# Altium PCB Tag201_GangProgrammerRev2.PcbDoc (part 7 of 7)
Units mil, origin at the board's own origin, x right, y up, seen from the top; angles counter-clockwise.
Board outline 10400 x 10885 mil, 4 copper layers (Top Layer, VCC, GND, Bottom Layer), stack 67.2 mil thick; 831 components, 394 nets, 2486 pads, 638 vias.
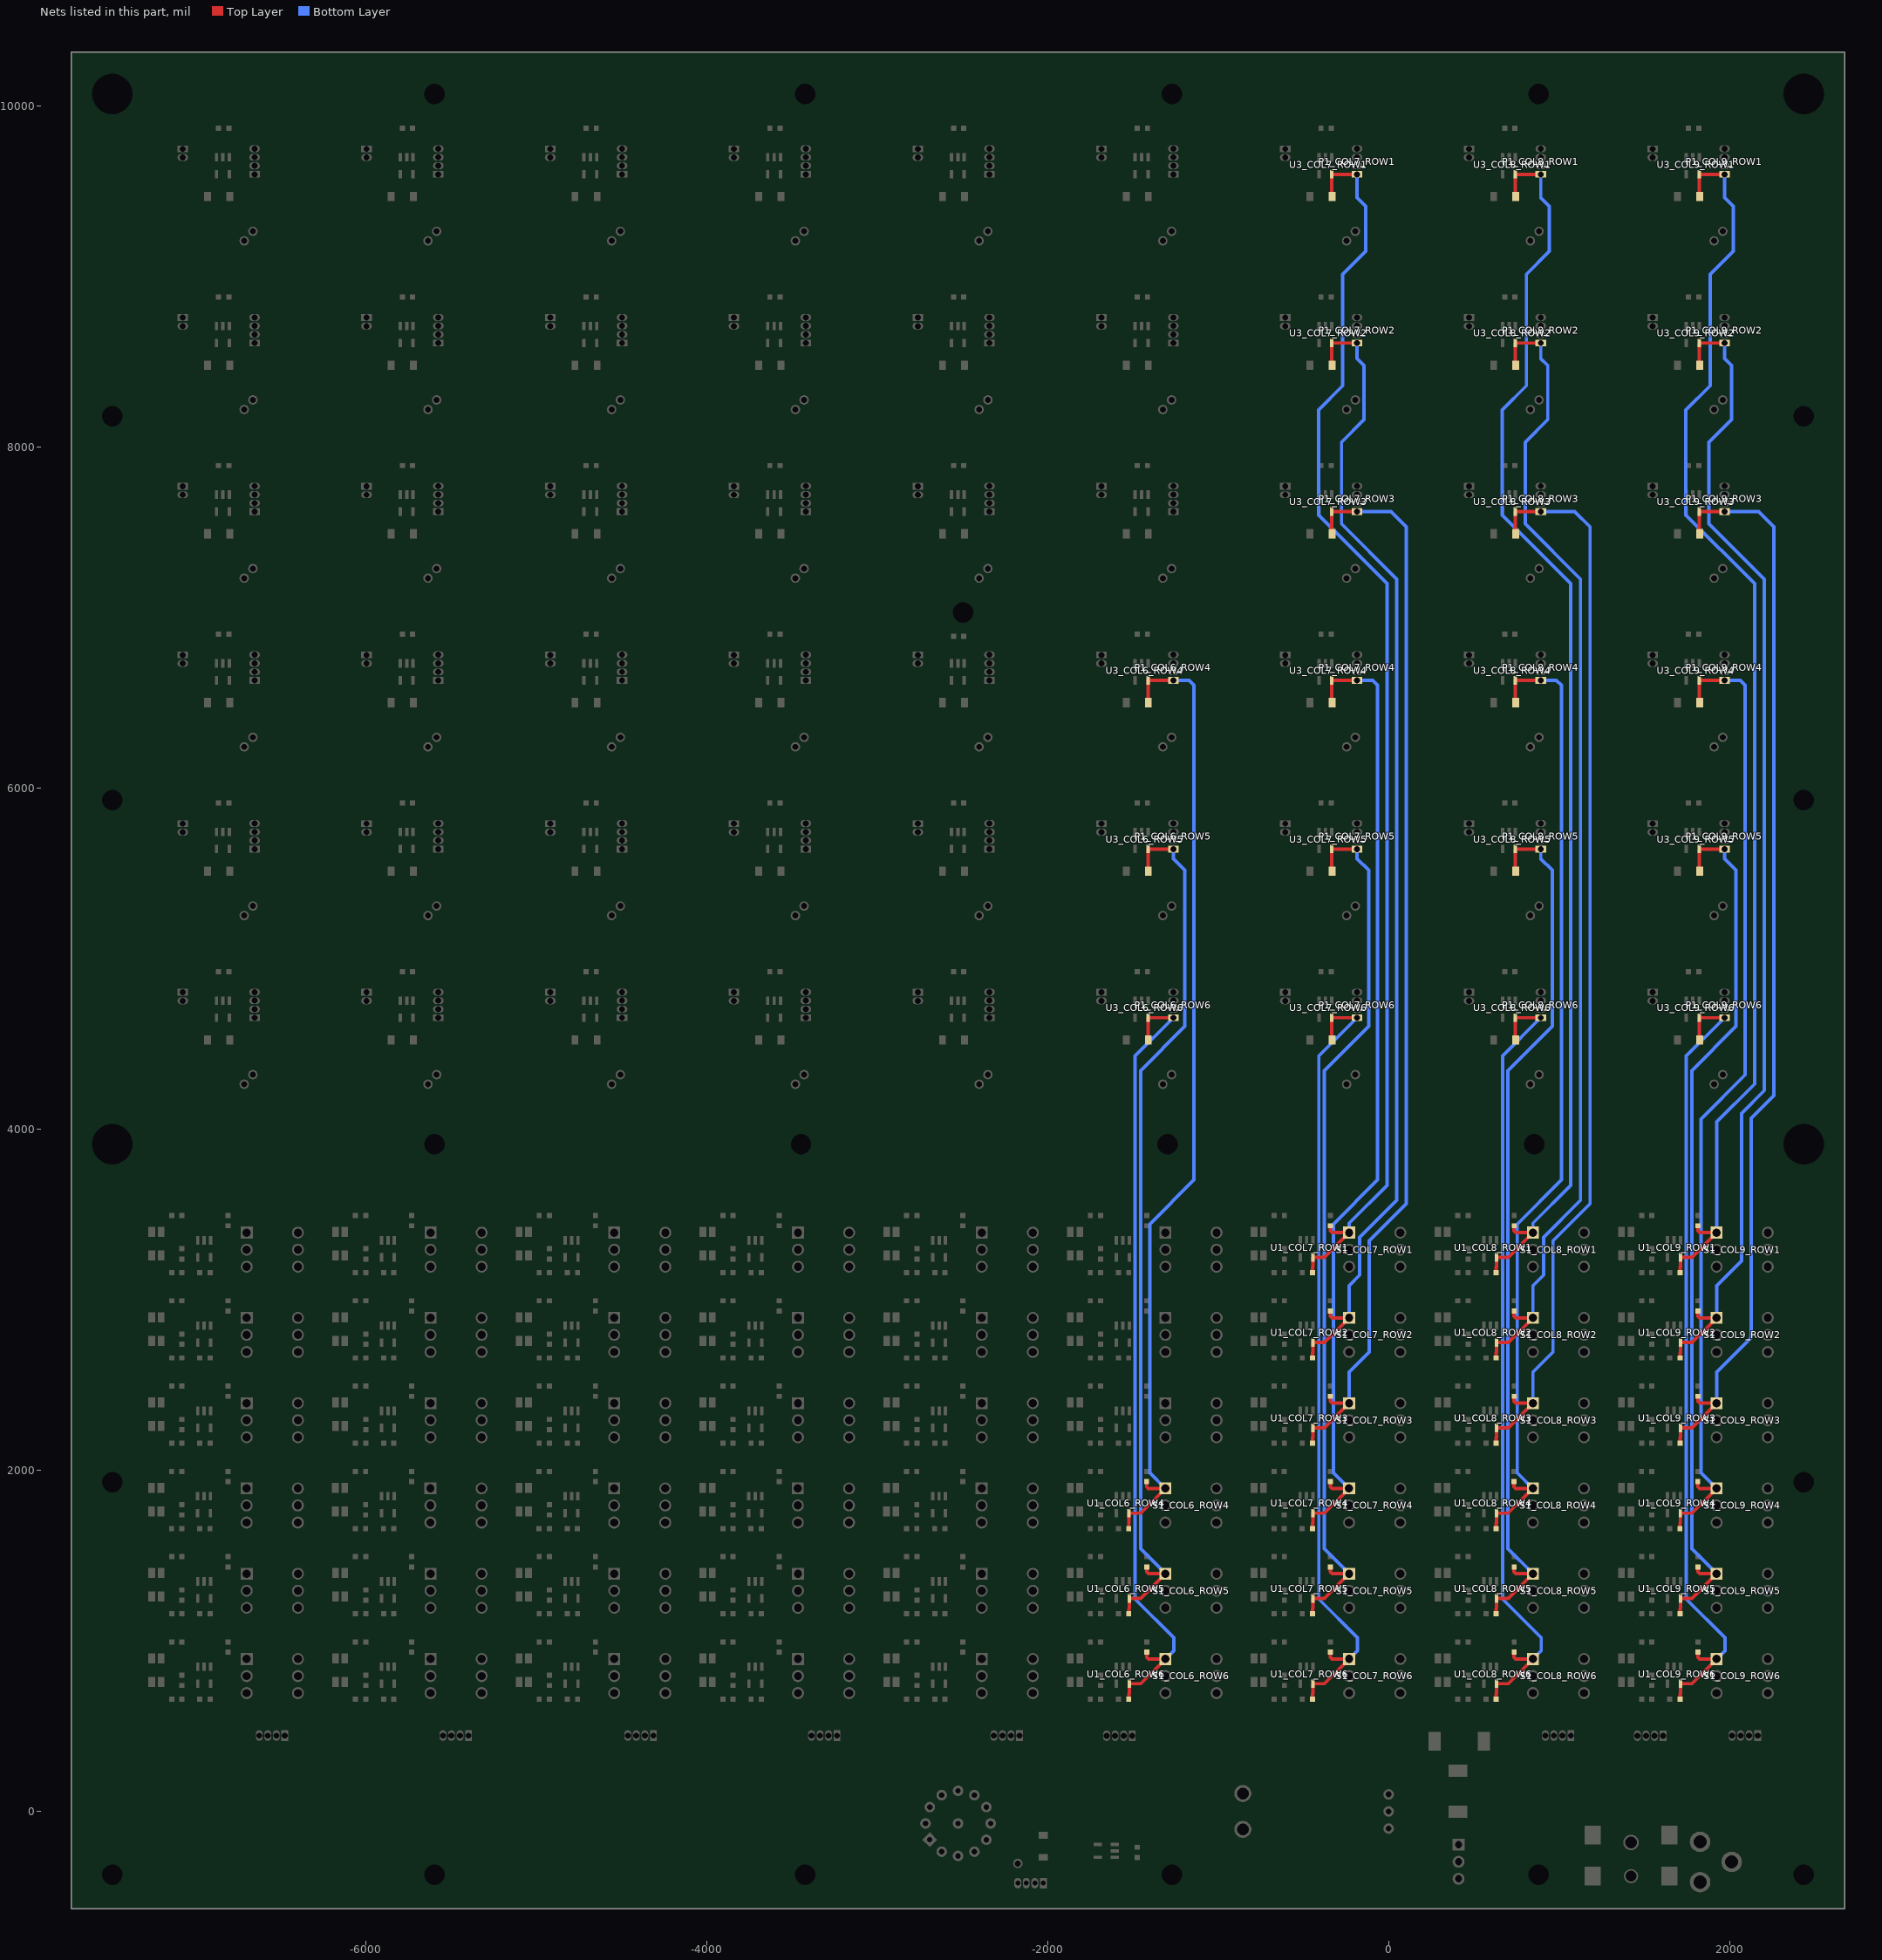
[diagram p9: the nets of this part, all layers, seen from the top]

## Via types
v1: diameter 50, hole 28, Top Layer to Bottom Layer, tented both sides, 638 vias

## Nets (pads, with @x,y where several pads share a name; then routed paths per layer and width w, separated by ;. In a path a pad name is that pad's centre, name@x,y a point inside that pad or via, vN(x,y) a via of type N, cw(c..) or ccw(c..) an arc to the next point about the centre after c; other vN are vias at no path point) (continued)
VCC_COL6_ROW4: C2_COL6_ROW4.1 C3_COL6_ROW4.1 P1_COL6_ROW4.1 R4_COL6_ROW4.2 S1_COL6_ROW4.1 U1_COL6_ROW4.5 U3_COL6_ROW4.5 | length 5774.5
  Top Layer w20: C3_COL6_ROW4.1@-1524.5,1659 -1524.5,1689 -1522,1691.5 U1_COL6_ROW4.5@-1522,1749 -1454.5,1749 S1_COL6_ROW4.1@-1309.5,1894 -1409.5,1894 -1419.5,1904 R4_COL6_ROW4.2@-1419.5,1934 ; C2_COL6_ROW4.1@-1409,6502 -1411.5,6504.5 U3_COL6_ROW4.5@-1411.5,6632 P1_COL6_ROW4.1@-1263,6632
  Bottom Layer w20: S1_COL6_ROW4.1@-1309.5,1894 -1401,1985.5 -1401,3444 -1142,3703 -1142,6603 -1171,6632 P1_COL6_ROW4.1@-1263,6632
VCC_COL6_ROW5: C2_COL6_ROW5.1 C3_COL6_ROW5.1 P1_COL6_ROW5.1 R4_COL6_ROW5.2 S1_COL6_ROW5.1 U1_COL6_ROW5.5 U3_COL6_ROW5.5 | length 5232.6
  Top Layer w20: C3_COL6_ROW5.1@-1524,1159 -1524,1189 -1521.5,1191.5 U1_COL6_ROW5.5@-1521.5,1249 -1454,1249 S1_COL6_ROW5.1@-1309,1394 -1409,1394 -1419,1404 R4_COL6_ROW5.2@-1419,1434 ; C2_COL6_ROW5.1@-1409,5513 -1411.5,5515.5 U3_COL6_ROW5.5@-1411.5,5643 P1_COL6_ROW5.1@-1263,5643
  Bottom Layer w20: S1_COL6_ROW5.1@-1309,1394 -1455,1540 -1455,4343 -1195,4603 -1195,5519 -1263,5587 P1_COL6_ROW5.1@-1263,5643
VCC_COL6_ROW6: C2_COL6_ROW6.1 C3_COL6_ROW6.1 P1_COL6_ROW6.1 R4_COL6_ROW6.2 S1_COL6_ROW6.1 U1_COL6_ROW6.5 U3_COL6_ROW6.5 | length 4754.4
  Top Layer w20: C3_COL6_ROW6.1@-1524,659 -1524,689 -1521.5,691.5 U1_COL6_ROW6.5@-1521.5,749 -1454,749 S1_COL6_ROW6.1@-1309,894 -1409,894 -1419,904 R4_COL6_ROW6.2@-1419,934 ; C2_COL6_ROW6.1@-1409,4524 -1411.5,4526.5 U3_COL6_ROW6.5@-1411.5,4654 P1_COL6_ROW6.1@-1263,4654
  Bottom Layer w20: S1_COL6_ROW6.1@-1309,894 -1260,943 -1260,1018 -1487,1245 -1487,4430 P1_COL6_ROW6.1@-1263,4654
VCC_COL7_ROW1: C2_COL7_ROW1.1 C3_COL7_ROW1.1 P1_COL7_ROW1.1 R4_COL7_ROW1.2 S1_COL7_ROW1.1 U1_COL7_ROW1.5 U3_COL7_ROW1.5 | length 7386.6
  Top Layer w20: C3_COL7_ROW1.1@-446.5,3159 -446.5,3189 -444,3191.5 U1_COL7_ROW1.5@-444,3249 -376.5,3249 S1_COL7_ROW1.1@-231.5,3394 -331.5,3394 -341.5,3404 R4_COL7_ROW1.2@-341.5,3434 ; C2_COL7_ROW1.1@-331.5,9469 -334,9471.5 U3_COL7_ROW1.5@-334,9599 P1_COL7_ROW1.1@-185.5,9599
  Bottom Layer w20: S1_COL7_ROW1.1@-231.5,3394 -231.5,3449.5 -9.5,3671.5 -9.5,7199 -411.5,7601 -411.5,8217 -269.5,8359 -269.5,9013 -134.5,9148 -134.5,9412 -185.5,9463 P1_COL7_ROW1.1@-185.5,9599
VCC_COL7_ROW2: C2_COL7_ROW2.1 C3_COL7_ROW2.1 P1_COL7_ROW2.1 R4_COL7_ROW2.2 S1_COL7_ROW2.1 U1_COL7_ROW2.5 U3_COL7_ROW2.5 | length 6824.7
  Top Layer w20: C3_COL7_ROW2.1@-446.5,2659 -446.5,2689 -444,2691.5 U1_COL7_ROW2.5@-444,2749 -376.5,2749 S1_COL7_ROW2.1@-231.5,2894 -331.5,2894 -341.5,2904 R4_COL7_ROW2.2@-341.5,2934 ; C2_COL7_ROW2.1@-331.5,8480 -334,8482.5 U3_COL7_ROW2.5@-334,8610 P1_COL7_ROW2.1@-185.5,8610
  Bottom Layer w20: S1_COL7_ROW2.1@-231.5,2894 -231.5,3083 -169.5,3145 -169.5,3367 47.5,3584 47.5,7226 -276.5,7550 -276.5,8028 -144.5,8160 -144.5,8479 -185.5,8520 P1_COL7_ROW2.1@-185.5,8610
VCC_COL7_ROW3: C2_COL7_ROW3.1 C3_COL7_ROW3.1 P1_COL7_ROW3.1 R4_COL7_ROW3.2 S1_COL7_ROW3.1 U1_COL7_ROW3.5 U3_COL7_ROW3.5 | length 6389.3
  Top Layer w20: C3_COL7_ROW3.1@-446.5,2159 -446.5,2189 -444,2191.5 U1_COL7_ROW3.5@-444,2249 -376.5,2249 S1_COL7_ROW3.1@-231.5,2394 -331.5,2394 -341.5,2404 R4_COL7_ROW3.2@-341.5,2434 ; C2_COL7_ROW3.1@-331.5,7491 -334,7493.5 U3_COL7_ROW3.5@-334,7621 P1_COL7_ROW3.1@-185.5,7621
  Bottom Layer w20: S1_COL7_ROW3.1@-231.5,2394 -231.5,2576 -113.5,2694 -113.5,3346 103.5,3563 103.5,7531 13.5,7621 P1_COL7_ROW3.1@-185.5,7621
VCC_COL7_ROW4: C2_COL7_ROW4.1 C3_COL7_ROW4.1 P1_COL7_ROW4.1 R4_COL7_ROW4.2 S1_COL7_ROW4.1 U1_COL7_ROW4.5 U3_COL7_ROW4.5 | length 5774.5
  Top Layer w20: C3_COL7_ROW4.1@-447,1659 -447,1689 -444.5,1691.5 U1_COL7_ROW4.5@-444.5,1749 -377,1749 S1_COL7_ROW4.1@-232,1894 -332,1894 -342,1904 R4_COL7_ROW4.2@-342,1934 ; C2_COL7_ROW4.1@-331.5,6502 -334,6504.5 U3_COL7_ROW4.5@-334,6632 P1_COL7_ROW4.1@-185.5,6632
  Bottom Layer w20: S1_COL7_ROW4.1@-232,1894 -323.5,1985.5 -323.5,3444 -64.5,3703 -64.5,6603 -93.5,6632 P1_COL7_ROW4.1@-185.5,6632
VCC_COL7_ROW5: C2_COL7_ROW5.1 C3_COL7_ROW5.1 P1_COL7_ROW5.1 R4_COL7_ROW5.2 S1_COL7_ROW5.1 U1_COL7_ROW5.5 U3_COL7_ROW5.5 | length 5232.6
  Top Layer w20: C3_COL7_ROW5.1@-446.5,1159 -446.5,1189 -444,1191.5 U1_COL7_ROW5.5@-444,1249 -376.5,1249 S1_COL7_ROW5.1@-231.5,1394 -331.5,1394 -341.5,1404 R4_COL7_ROW5.2@-341.5,1434 ; C2_COL7_ROW5.1@-331.5,5513 -334,5515.5 U3_COL7_ROW5.5@-334,5643 P1_COL7_ROW5.1@-185.5,5643
  Bottom Layer w20: S1_COL7_ROW5.1@-231.5,1394 -377.5,1540 -377.5,4343 -117.5,4603 -117.5,5519 -185.5,5587 P1_COL7_ROW5.1@-185.5,5643
VCC_COL7_ROW6: C2_COL7_ROW6.1 C3_COL7_ROW6.1 P1_COL7_ROW6.1 R4_COL7_ROW6.2 S1_COL7_ROW6.1 U1_COL7_ROW6.5 U3_COL7_ROW6.5 | length 4754.4
  Top Layer w20: C3_COL7_ROW6.1@-446.5,659 -446.5,689 -444,691.5 U1_COL7_ROW6.5@-444,749 -376.5,749 S1_COL7_ROW6.1@-231.5,894 -331.5,894 -341.5,904 R4_COL7_ROW6.2@-341.5,934 ; C2_COL7_ROW6.1@-331.5,4524 -334,4526.5 U3_COL7_ROW6.5@-334,4654 P1_COL7_ROW6.1@-185.5,4654
  Bottom Layer w20: S1_COL7_ROW6.1@-231.5,894 -182.5,943 -182.5,1018 -409.5,1245 -409.5,4430 P1_COL7_ROW6.1@-185.5,4654
VCC_COL8_ROW1: C2_COL8_ROW1.1 C3_COL8_ROW1.1 P1_COL8_ROW1.1 R4_COL8_ROW1.2 S1_COL8_ROW1.1 U1_COL8_ROW1.5 U3_COL8_ROW1.5 | length 7386.6
  Top Layer w20: C3_COL8_ROW1.1@631,3159 631,3189 633.5,3191.5 U1_COL8_ROW1.5@633.5,3249 701,3249 S1_COL8_ROW1.1@846,3394 746,3394 736,3404 R4_COL8_ROW1.2@736,3434 ; C2_COL8_ROW1.1@746,9469 743.5,9471.5 U3_COL8_ROW1.5@743.5,9599 P1_COL8_ROW1.1@892,9599
  Bottom Layer w20: S1_COL8_ROW1.1@846,3394 846,3449.5 1068,3671.5 1068,7199 666,7601 666,8217 808,8359 808,9013 943,9148 943,9412 892,9463 P1_COL8_ROW1.1@892,9599
VCC_COL8_ROW2: C2_COL8_ROW2.1 C3_COL8_ROW2.1 P1_COL8_ROW2.1 R4_COL8_ROW2.2 S1_COL8_ROW2.1 U1_COL8_ROW2.5 U3_COL8_ROW2.5 | length 6824.7
  Top Layer w20: C3_COL8_ROW2.1@631,2659 631,2689 633.5,2691.5 U1_COL8_ROW2.5@633.5,2749 701,2749 S1_COL8_ROW2.1@846,2894 746,2894 736,2904 R4_COL8_ROW2.2@736,2934 ; C2_COL8_ROW2.1@746,8480 743.5,8482.5 U3_COL8_ROW2.5@743.5,8610 P1_COL8_ROW2.1@892,8610
  Bottom Layer w20: S1_COL8_ROW2.1@846,2894 846,3083 908,3145 908,3367 1125,3584 1125,7226 801,7550 801,8028 933,8160 933,8479 892,8520 P1_COL8_ROW2.1@892,8610
VCC_COL8_ROW3: C2_COL8_ROW3.1 C3_COL8_ROW3.1 P1_COL8_ROW3.1 R4_COL8_ROW3.2 S1_COL8_ROW3.1 U1_COL8_ROW3.5 U3_COL8_ROW3.5 | length 6389.3
  Top Layer w20: C3_COL8_ROW3.1@631,2159 631,2189 633.5,2191.5 U1_COL8_ROW3.5@633.5,2249 701,2249 S1_COL8_ROW3.1@846,2394 746,2394 736,2404 R4_COL8_ROW3.2@736,2434 ; C2_COL8_ROW3.1@746,7491 743.5,7493.5 U3_COL8_ROW3.5@743.5,7621 P1_COL8_ROW3.1@892,7621
  Bottom Layer w20: S1_COL8_ROW3.1@846,2394 846,2576 964,2694 964,3346 1181,3563 1181,7531 1091,7621 P1_COL8_ROW3.1@892,7621
VCC_COL8_ROW4: C2_COL8_ROW4.1 C3_COL8_ROW4.1 P1_COL8_ROW4.1 R4_COL8_ROW4.2 S1_COL8_ROW4.1 U1_COL8_ROW4.5 U3_COL8_ROW4.5 | length 5774.5
  Top Layer w20: C3_COL8_ROW4.1@630.5,1659 630.5,1689 633,1691.5 U1_COL8_ROW4.5@633,1749 700.5,1749 S1_COL8_ROW4.1@845.5,1894 745.5,1894 735.5,1904 R4_COL8_ROW4.2@735.5,1934 ; C2_COL8_ROW4.1@746,6502 743.5,6504.5 U3_COL8_ROW4.5@743.5,6632 P1_COL8_ROW4.1@892,6632
  Bottom Layer w20: S1_COL8_ROW4.1@845.5,1894 754,1985.5 754,3444 1013,3703 1013,6603 984,6632 P1_COL8_ROW4.1@892,6632
VCC_COL8_ROW5: C2_COL8_ROW5.1 C3_COL8_ROW5.1 P1_COL8_ROW5.1 R4_COL8_ROW5.2 S1_COL8_ROW5.1 U1_COL8_ROW5.5 U3_COL8_ROW5.5 | length 5232.6
  Top Layer w20: C3_COL8_ROW5.1@631,1159 631,1189 633.5,1191.5 U1_COL8_ROW5.5@633.5,1249 701,1249 S1_COL8_ROW5.1@846,1394 746,1394 736,1404 R4_COL8_ROW5.2@736,1434 ; C2_COL8_ROW5.1@746,5513 743.5,5515.5 U3_COL8_ROW5.5@743.5,5643 P1_COL8_ROW5.1@892,5643
  Bottom Layer w20: S1_COL8_ROW5.1@846,1394 700,1540 700,4343 960,4603 960,5519 892,5587 P1_COL8_ROW5.1@892,5643
VCC_COL8_ROW6: C2_COL8_ROW6.1 C3_COL8_ROW6.1 P1_COL8_ROW6.1 R4_COL8_ROW6.2 S1_COL8_ROW6.1 U1_COL8_ROW6.5 U3_COL8_ROW6.5 | length 4754.4
  Top Layer w20: C3_COL8_ROW6.1@631,659 631,689 633.5,691.5 U1_COL8_ROW6.5@633.5,749 701,749 S1_COL8_ROW6.1@846,894 746,894 736,904 R4_COL8_ROW6.2@736,934 ; C2_COL8_ROW6.1@746,4524 743.5,4526.5 U3_COL8_ROW6.5@743.5,4654 P1_COL8_ROW6.1@892,4654
  Bottom Layer w20: S1_COL8_ROW6.1@846,894 895,943 895,1018 668,1245 668,4430 P1_COL8_ROW6.1@892,4654
VCC_COL9_ROW1: C2_COL9_ROW1.1 C3_COL9_ROW1.1 P1_COL9_ROW1.1 R4_COL9_ROW1.2 S1_COL9_ROW1.1 U1_COL9_ROW1.5 U3_COL9_ROW1.5 | length 7386.6
  Top Layer w20: C3_COL9_ROW1.1@1708.5,3159 1708.5,3189 1711,3191.5 U1_COL9_ROW1.5@1711,3249 1778.5,3249 S1_COL9_ROW1.1@1923.5,3394 1823.5,3394 1813.5,3404 R4_COL9_ROW1.2@1813.5,3434 ; C2_COL9_ROW1.1@1823.5,9469 1821,9471.5 U3_COL9_ROW1.5@1821,9599 P1_COL9_ROW1.1@1969.5,9599
  Bottom Layer w20: S1_COL9_ROW1.1@1923.5,3394 1923.5,4043 2145.5,4265 2145.5,7199 1743.5,7601 1743.5,8217 1885.5,8359 1885.5,9013 2020.5,9148 2020.5,9412 1969.5,9463 P1_COL9_ROW1.1@1969.5,9599
VCC_COL9_ROW2: C2_COL9_ROW2.1 C3_COL9_ROW2.1 P1_COL9_ROW2.1 R4_COL9_ROW2.2 S1_COL9_ROW2.1 U1_COL9_ROW2.5 U3_COL9_ROW2.5 | length 6824.7
  Top Layer w20: C3_COL9_ROW2.1@1708.5,2659 1708.5,2689 1711,2691.5 U1_COL9_ROW2.5@1711,2749 1778.5,2749 S1_COL9_ROW2.1@1923.5,2894 1823.5,2894 1813.5,2904 R4_COL9_ROW2.2@1813.5,2934 ; C2_COL9_ROW2.1@1823.5,8480 1821,8482.5 U3_COL9_ROW2.5@1821,8610 P1_COL9_ROW2.1@1969.5,8610
  Bottom Layer w20: S1_COL9_ROW2.1@1923.5,2894 1923.5,3083 2069,3228.5 2069,4093.5 2202.5,4227 2202.5,7226 1878.5,7550 1878.5,8028 2010.5,8160 2010.5,8479 1969.5,8520 P1_COL9_ROW2.1@1969.5,8610
VCC_COL9_ROW3: C2_COL9_ROW3.1 C3_COL9_ROW3.1 P1_COL9_ROW3.1 R4_COL9_ROW3.2 S1_COL9_ROW3.1 U1_COL9_ROW3.5 U3_COL9_ROW3.5 | length 6389.3
  Top Layer w20: C3_COL9_ROW3.1@1708.5,2159 1708.5,2189 1711,2191.5 U1_COL9_ROW3.5@1711,2249 1778.5,2249 S1_COL9_ROW3.1@1923.5,2394 1823.5,2394 1813.5,2404 R4_COL9_ROW3.2@1813.5,2434 ; C2_COL9_ROW3.1@1823.5,7491 1821,7493.5 U3_COL9_ROW3.5@1821,7621 P1_COL9_ROW3.1@1969.5,7621
  Bottom Layer w20: S1_COL9_ROW3.1@1923.5,2394 1923.5,2576 2126.5,2779 2126.5,4065 2258.5,4197 2258.5,7531 2168.5,7621 P1_COL9_ROW3.1@1969.5,7621
VCC_COL9_ROW4: C2_COL9_ROW4.1 C3_COL9_ROW4.1 P1_COL9_ROW4.1 R4_COL9_ROW4.2 S1_COL9_ROW4.1 U1_COL9_ROW4.5 U3_COL9_ROW4.5 | length 5774.5
  Top Layer w20: C3_COL9_ROW4.1@1708,1659 1708,1689 1710.5,1691.5 U1_COL9_ROW4.5@1710.5,1749 1778,1749 S1_COL9_ROW4.1@1923,1894 1823,1894 1813,1904 R4_COL9_ROW4.2@1813,1934 ; C2_COL9_ROW4.1@1823.5,6502 1821,6504.5 U3_COL9_ROW4.5@1821,6632 P1_COL9_ROW4.1@1969.5,6632
  Bottom Layer w20: S1_COL9_ROW4.1@1923,1894 1831.5,1985.5 1831.5,4060 2090.5,4319 2090.5,6603 2061.5,6632 P1_COL9_ROW4.1@1969.5,6632
VCC_COL9_ROW5: C2_COL9_ROW5.1 C3_COL9_ROW5.1 P1_COL9_ROW5.1 R4_COL9_ROW5.2 S1_COL9_ROW5.1 U1_COL9_ROW5.5 U3_COL9_ROW5.5 | length 5232.6
  Top Layer w20: C3_COL9_ROW5.1@1708.5,1159 1708.5,1189 1711,1191.5 U1_COL9_ROW5.5@1711,1249 1778.5,1249 S1_COL9_ROW5.1@1923.5,1394 1823.5,1394 1813.5,1404 R4_COL9_ROW5.2@1813.5,1434 ; C2_COL9_ROW5.1@1823.5,5513 1821,5515.5 U3_COL9_ROW5.5@1821,5643 P1_COL9_ROW5.1@1969.5,5643
  Bottom Layer w20: S1_COL9_ROW5.1@1923.5,1394 1777.5,1540 1777.5,4343 2037.5,4603 2037.5,5519 1969.5,5587 P1_COL9_ROW5.1@1969.5,5643
VCC_COL9_ROW6: C2_COL9_ROW6.1 C3_COL9_ROW6.1 P1_COL9_ROW6.1 R4_COL9_ROW6.2 S1_COL9_ROW6.1 U1_COL9_ROW6.5 U3_COL9_ROW6.5 | length 4754.4
  Top Layer w20: C3_COL9_ROW6.1@1708.5,659 1708.5,689 1711,691.5 U1_COL9_ROW6.5@1711,749 1778.5,749 S1_COL9_ROW6.1@1923.5,894 1823.5,894 1813.5,904 R4_COL9_ROW6.2@1813.5,934 ; C2_COL9_ROW6.1@1823.5,4524 1821,4526.5 U3_COL9_ROW6.5@1821,4654 P1_COL9_ROW6.1@1969.5,4654
  Bottom Layer w20: S1_COL9_ROW6.1@1923.5,894 1972.5,943 1972.5,1018 1745.5,1245 1745.5,4430 P1_COL9_ROW6.1@1969.5,4654
pads on no net: J1_COL1_ROW1.1 J1_COL1_ROW2.1 J1_COL1_ROW3.1 J1_COL1_ROW4.1 J1_COL1_ROW5.1 J1_COL1_ROW6.1 J1_COL2_ROW1.1 J1_COL2_ROW2.1 J1_COL2_ROW3.1 J1_COL2_ROW4.1 J1_COL2_ROW5.1 J1_COL2_ROW6.1 J1_COL3_ROW1.1 J1_COL3_ROW2.1 J1_COL3_ROW3.1 J1_COL3_ROW4.1 J1_COL3_ROW5.1 J1_COL3_ROW6.1 J1_COL4_ROW1.1 J1_COL4_ROW2.1 J1_COL4_ROW3.1 J1_COL4_ROW4.1 J1_COL4_ROW5.1 J1_COL4_ROW6.1 J1_COL5_ROW1.1 J1_COL5_ROW2.1 J1_COL5_ROW3.1 J1_COL5_ROW4.1 J1_COL5_ROW5.1 J1_COL5_ROW6.1 J1_COL6_ROW1.1 J1_COL6_ROW2.1 J1_COL6_ROW3.1 J1_COL6_ROW4.1 J1_COL6_ROW5.1 J1_COL6_ROW6.1 J1_COL7_ROW1.1 J1_COL7_ROW2.1 J1_COL7_ROW3.1 J1_COL7_ROW4.1 J1_COL7_ROW5.1 J1_COL7_ROW6.1 J1_COL8_ROW1.1 J1_COL8_ROW2.1 J1_COL8_ROW3.1 J1_COL8_ROW4.1 J1_COL8_ROW5.1 J1_COL8_ROW6.1 J1_COL9_ROW1.1 J1_COL9_ROW2.1 J1_COL9_ROW3.1 J1_COL9_ROW4.1 J1_COL9_ROW5.1 J1_COL9_ROW6.1 J2_COL1_ROW1.1 J2_COL1_ROW2.1 J2_COL1_ROW3.1 J2_COL1_ROW4.1 J2_COL1_ROW5.1 J2_COL1_ROW6.1 J2_COL2_ROW1.1 J2_COL2_ROW2.1 J2_COL2_ROW3.1 J2_COL2_ROW4.1 J2_COL2_ROW5.1 J2_COL2_ROW6.1 J2_COL3_ROW1.1 J2_COL3_ROW2.1 J2_COL3_ROW3.1 J2_COL3_ROW4.1 J2_COL3_ROW5.1 J2_COL3_ROW6.1 J2_COL4_ROW1.1 J2_COL4_ROW2.1 J2_COL4_ROW3.1 J2_COL4_ROW4.1 J2_COL4_ROW5.1 J2_COL4_ROW6.1 J2_COL5_ROW1.1 J2_COL5_ROW2.1 J2_COL5_ROW3.1 J2_COL5_ROW4.1 J2_COL5_ROW5.1 J2_COL5_ROW6.1 J2_COL6_ROW1.1 J2_COL6_ROW2.1 J2_COL6_ROW3.1 J2_COL6_ROW4.1 J2_COL6_ROW5.1 J2_COL6_ROW6.1 J2_COL7_ROW1.1 J2_COL7_ROW2.1 J2_COL7_ROW3.1 J2_COL7_ROW4.1 J2_COL7_ROW5.1 J2_COL7_ROW6.1 J2_COL8_ROW1.1 J2_COL8_ROW2.1 J2_COL8_ROW3.1 J2_COL8_ROW4.1 J2_COL8_ROW5.1 J2_COL8_ROW6.1 J2_COL9_ROW1.1 J2_COL9_ROW2.1 J2_COL9_ROW3.1 J2_COL9_ROW4.1 J2_COL9_ROW5.1 J2_COL9_ROW6.1 P20.2 P21.0 P21.3 S1.1 S1_COL1_ROW1.3 S1_COL1_ROW1.4 S1_COL1_ROW1.5 S1_COL1_ROW1.6 S1_COL1_ROW2.3 S1_COL1_ROW2.4 S1_COL1_ROW2.5 S1_COL1_ROW2.6 S1_COL1_ROW3.3 S1_COL1_ROW3.4 S1_COL1_ROW3.5 S1_COL1_ROW3.6 S1_COL1_ROW4.3 S1_COL1_ROW4.4 S1_COL1_ROW4.5 S1_COL1_ROW4.6 S1_COL1_ROW5.3 S1_COL1_ROW5.4 S1_COL1_ROW5.5 S1_COL1_ROW5.6 S1_COL1_ROW6.3 S1_COL1_ROW6.4 S1_COL1_ROW6.5 S1_COL1_ROW6.6 S1_COL2_ROW1.3 S1_COL2_ROW1.4 S1_COL2_ROW1.5 S1_COL2_ROW1.6 S1_COL2_ROW2.3 S1_COL2_ROW2.4 S1_COL2_ROW2.5 S1_COL2_ROW2.6 S1_COL2_ROW3.3 S1_COL2_ROW3.4 S1_COL2_ROW3.5 S1_COL2_ROW3.6 S1_COL2_ROW4.3 S1_COL2_ROW4.4 S1_COL2_ROW4.5 S1_COL2_ROW4.6 S1_COL2_ROW5.3 S1_COL2_ROW5.4 S1_COL2_ROW5.5 S1_COL2_ROW5.6 S1_COL2_ROW6.3 S1_COL2_ROW6.4 S1_COL2_ROW6.5 S1_COL2_ROW6.6 S1_COL3_ROW1.3 S1_COL3_ROW1.4 S1_COL3_ROW1.5 S1_COL3_ROW1.6 S1_COL3_ROW2.3 S1_COL3_ROW2.4 S1_COL3_ROW2.5 S1_COL3_ROW2.6 S1_COL3_ROW3.3 S1_COL3_ROW3.4 S1_COL3_ROW3.5 S1_COL3_ROW3.6 S1_COL3_ROW4.3 S1_COL3_ROW4.4 S1_COL3_ROW4.5 S1_COL3_ROW4.6 S1_COL3_ROW5.3 S1_COL3_ROW5.4 S1_COL3_ROW5.5 S1_COL3_ROW5.6 S1_COL3_ROW6.3 S1_COL3_ROW6.4 S1_COL3_ROW6.5 S1_COL3_ROW6.6 S1_COL4_ROW1.3 S1_COL4_ROW1.4 S1_COL4_ROW1.5 S1_COL4_ROW1.6 S1_COL4_ROW2.3 S1_COL4_ROW2.4 S1_COL4_ROW2.5 S1_COL4_ROW2.6 S1_COL4_ROW3.3 S1_COL4_ROW3.4 S1_COL4_ROW3.5 S1_COL4_ROW3.6 S1_COL4_ROW4.3 S1_COL4_ROW4.4 S1_COL4_ROW4.5 S1_COL4_ROW4.6 S1_COL4_ROW5.3 S1_COL4_ROW5.4 S1_COL4_ROW5.5 S1_COL4_ROW5.6 S1_COL4_ROW6.3 S1_COL4_ROW6.4 S1_COL4_ROW6.5 S1_COL4_ROW6.6 S1_COL5_ROW1.3 S1_COL5_ROW1.4 S1_COL5_ROW1.5 S1_COL5_ROW1.6 S1_COL5_ROW2.3 S1_COL5_ROW2.4 S1_COL5_ROW2.5 S1_COL5_ROW2.6 S1_COL5_ROW3.3 S1_COL5_ROW3.4 S1_COL5_ROW3.5 S1_COL5_ROW3.6 S1_COL5_ROW4.3 S1_COL5_ROW4.4 S1_COL5_ROW4.5 S1_COL5_ROW4.6 S1_COL5_ROW5.3 S1_COL5_ROW5.4 S1_COL5_ROW5.5 S1_COL5_ROW5.6 S1_COL5_ROW6.3 S1_COL5_ROW6.4 S1_COL5_ROW6.5 S1_COL5_ROW6.6 S1_COL6_ROW1.3 S1_COL6_ROW1.4 S1_COL6_ROW1.5 S1_COL6_ROW1.6 S1_COL6_ROW2.3 S1_COL6_ROW2.4 S1_COL6_ROW2.5 S1_COL6_ROW2.6 S1_COL6_ROW3.3 S1_COL6_ROW3.4 S1_COL6_ROW3.5 S1_COL6_ROW3.6 S1_COL6_ROW4.3 S1_COL6_ROW4.4 S1_COL6_ROW4.5 S1_COL6_ROW4.6 S1_COL6_ROW5.3 S1_COL6_ROW5.4 S1_COL6_ROW5.5 S1_COL6_ROW5.6 S1_COL6_ROW6.3 S1_COL6_ROW6.4 S1_COL6_ROW6.5 S1_COL6_ROW6.6 S1_COL7_ROW1.3 S1_COL7_ROW1.4 S1_COL7_ROW1.5 S1_COL7_ROW1.6 S1_COL7_ROW2.3 S1_COL7_ROW2.4 S1_COL7_ROW2.5 S1_COL7_ROW2.6 S1_COL7_ROW3.3 S1_COL7_ROW3.4 S1_COL7_ROW3.5 S1_COL7_ROW3.6 S1_COL7_ROW4.3 S1_COL7_ROW4.4 S1_COL7_ROW4.5 S1_COL7_ROW4.6 S1_COL7_ROW5.3 S1_COL7_ROW5.4 S1_COL7_ROW5.5 S1_COL7_ROW5.6 S1_COL7_ROW6.3 S1_COL7_ROW6.4 S1_COL7_ROW6.5 S1_COL7_ROW6.6 S1_COL8_ROW1.3 S1_COL8_ROW1.4 S1_COL8_ROW1.5 S1_COL8_ROW1.6 S1_COL8_ROW2.3 S1_COL8_ROW2.4 S1_COL8_ROW2.5 S1_COL8_ROW2.6 S1_COL8_ROW3.3 S1_COL8_ROW3.4 S1_COL8_ROW3.5 S1_COL8_ROW3.6 S1_COL8_ROW4.3 S1_COL8_ROW4.4 S1_COL8_ROW4.5 S1_COL8_ROW4.6 S1_COL8_ROW5.3 S1_COL8_ROW5.4 S1_COL8_ROW5.5 S1_COL8_ROW5.6 S1_COL8_ROW6.3 S1_COL8_ROW6.4 S1_COL8_ROW6.5 S1_COL8_ROW6.6 S1_COL9_ROW1.3 S1_COL9_ROW1.4 S1_COL9_ROW1.5 S1_COL9_ROW1.6 S1_COL9_ROW2.3 S1_COL9_ROW2.4 S1_COL9_ROW2.5 S1_COL9_ROW2.6 S1_COL9_ROW3.3 S1_COL9_ROW3.4 S1_COL9_ROW3.5 S1_COL9_ROW3.6 S1_COL9_ROW4.3 S1_COL9_ROW4.4 S1_COL9_ROW4.5 S1_COL9_ROW4.6 S1_COL9_ROW5.3 S1_COL9_ROW5.4 S1_COL9_ROW5.5 S1_COL9_ROW5.6 S1_COL9_ROW6.3 S1_COL9_ROW6.4 S1_COL9_ROW6.5 S1_COL9_ROW6.6 SW1.10 SW1.11 SW1.12 U1_COL1_ROW1.1@-6871.5,3364 U1_COL1_ROW2.1@-6871.5,2864 U1_COL1_ROW3.1@-6871.5,2364 U1_COL1_ROW4.1@-6872,1864 U1_COL1_ROW5.1@-6871.5,1364 U1_COL1_ROW6.1@-6871.5,864 U1_COL2_ROW1.1@-5794,3364 U1_COL2_ROW2.1@-5794,2864 U1_COL2_ROW3.1@-5794,2364 U1_COL2_ROW4.1@-5794.5,1864 U1_COL2_ROW5.1@-5794,1364 U1_COL2_ROW6.1@-5794,864 U1_COL3_ROW1.1@-4716.5,3364 U1_COL3_ROW2.1@-4716.5,2864 U1_COL3_ROW3.1@-4716.5,2364 U1_COL3_ROW4.1@-4717,1864 U1_COL3_ROW5.1@-4716.5,1364 U1_COL3_ROW6.1@-4716.5,864 U1_COL4_ROW1.1@-3639,3364 U1_COL4_ROW2.1@-3639,2864 U1_COL4_ROW3.1@-3639,2364 U1_COL4_ROW4.1@-3639.5,1864 U1_COL4_ROW5.1@-3639,1364 U1_COL4_ROW6.1@-3639,864 U1_COL5_ROW1.1@-2561.5,3364 U1_COL5_ROW2.1@-2561.5,2864 U1_COL5_ROW3.1@-2561.5,2364 U1_COL5_ROW4.1@-2562,1864 U1_COL5_ROW5.1@-2561.5,1364 U1_COL5_ROW6.1@-2561.5,864 U1_COL6_ROW1.1@-1484,3364 U1_COL6_ROW2.1@-1484,2864 U1_COL6_ROW3.1@-1484,2364 U1_COL6_ROW4.1@-1484.5,1864 U1_COL6_ROW5.1@-1484,1364 U1_COL6_ROW6.1@-1484,864 U1_COL7_ROW1.1@-406.5,3364 U1_COL7_ROW2.1@-406.5,2864 U1_COL7_ROW3.1@-406.5,2364 U1_COL7_ROW4.1@-407,1864 U1_COL7_ROW5.1@-406.5,1364 U1_COL7_ROW6.1@-406.5,864 U1_COL8_ROW1.1@671,3364 U1_COL8_ROW2.1@671,2864 U1_COL8_ROW3.1@671,2364 U1_COL8_ROW4.1@670.5,1864 U1_COL8_ROW5.1@671,1364 U1_COL8_ROW6.1@671,864 U1_COL9_ROW1.1@1748.5,3364 U1_COL9_ROW2.1@1748.5,2864 U1_COL9_ROW3.1@1748.5,2364 U1_COL9_ROW4.1@1748,1864 U1_COL9_ROW5.1@1748.5,1364 U1_COL9_ROW6.1@1748.5,864 U3_COL1_ROW1.1@-6761.5,9714 U3_COL1_ROW1.4 U3_COL1_ROW2.1@-6761.5,8725 U3_COL1_ROW2.4 U3_COL1_ROW3.1@-6761.5,7736 U3_COL1_ROW3.4 U3_COL1_ROW4.1@-6761.5,6747 U3_COL1_ROW4.4 U3_COL1_ROW5.1@-6761.5,5758 U3_COL1_ROW5.4 U3_COL1_ROW6.1@-6761.5,4769 U3_COL1_ROW6.4 U3_COL2_ROW1.1@-5684,9714 U3_COL2_ROW1.4 U3_COL2_ROW2.1@-5684,8725 U3_COL2_ROW2.4 U3_COL2_ROW3.1@-5684,7736 U3_COL2_ROW3.4 U3_COL2_ROW4.1@-5684,6747 U3_COL2_ROW4.4 U3_COL2_ROW5.1@-5684,5758 U3_COL2_ROW5.4 U3_COL2_ROW6.1@-5684,4769 U3_COL2_ROW6.4 U3_COL3_ROW1.1@-4606.5,9714 U3_COL3_ROW1.4 U3_COL3_ROW2.1@-4606.5,8725 U3_COL3_ROW2.4 U3_COL3_ROW3.1@-4606.5,7736 U3_COL3_ROW3.4 U3_COL3_ROW4.1@-4606.5,6747 U3_COL3_ROW4.4 U3_COL3_ROW5.1@-4606.5,5758 U3_COL3_ROW5.4 U3_COL3_ROW6.1@-4606.5,4769 U3_COL3_ROW6.4 U3_COL4_ROW1.1@-3529,9714 U3_COL4_ROW1.4 U3_COL4_ROW2.1@-3529,8725 U3_COL4_ROW2.4 U3_COL4_ROW3.1@-3529,7736 U3_COL4_ROW3.4 U3_COL4_ROW4.1@-3529,6747 U3_COL4_ROW4.4 U3_COL4_ROW5.1@-3529,5758 U3_COL4_ROW5.4 U3_COL4_ROW6.1@-3529,4769 U3_COL4_ROW6.4 U3_COL5_ROW1.1@-2451.5,9714 U3_COL5_ROW1.4 U3_COL5_ROW2.1@-2451.5,8725 U3_COL5_ROW2.4 U3_COL5_ROW3.1@-2451.5,7736 U3_COL5_ROW3.4 U3_COL5_ROW4.1@-2451.5,6747 U3_COL5_ROW4.4 U3_COL5_ROW5.1@-2451.5,5758 U3_COL5_ROW5.4 U3_COL5_ROW6.1@-2451.5,4769 U3_COL5_ROW6.4 U3_COL6_ROW1.1@-1374,9714 U3_COL6_ROW1.4 U3_COL6_ROW2.1@-1374,8725 U3_COL6_ROW2.4 U3_COL6_ROW3.1@-1374,7736 U3_COL6_ROW3.4 U3_COL6_ROW4.1@-1374,6747 U3_COL6_ROW4.4 U3_COL6_ROW5.1@-1374,5758 U3_COL6_ROW5.4 U3_COL6_ROW6.1@-1374,4769 U3_COL6_ROW6.4 U3_COL7_ROW1.1@-296.5,9714 U3_COL7_ROW1.4 U3_COL7_ROW2.1@-296.5,8725 U3_COL7_ROW2.4 U3_COL7_ROW3.1@-296.5,7736 U3_COL7_ROW3.4 U3_COL7_ROW4.1@-296.5,6747 U3_COL7_ROW4.4 U3_COL7_ROW5.1@-296.5,5758 U3_COL7_ROW5.4 U3_COL7_ROW6.1@-296.5,4769 U3_COL7_ROW6.4 U3_COL8_ROW1.1@781,9714 U3_COL8_ROW1.4 U3_COL8_ROW2.1@781,8725 U3_COL8_ROW2.4 U3_COL8_ROW3.1@781,7736 U3_COL8_ROW3.4 U3_COL8_ROW4.1@781,6747 U3_COL8_ROW4.4 U3_COL8_ROW5.1@781,5758 U3_COL8_ROW5.4 U3_COL8_ROW6.1@781,4769 U3_COL8_ROW6.4 U3_COL9_ROW1.1@1858.5,9714 U3_COL9_ROW1.4 U3_COL9_ROW2.1@1858.5,8725 U3_COL9_ROW2.4 U3_COL9_ROW3.1@1858.5,7736 U3_COL9_ROW3.4 U3_COL9_ROW4.1@1858.5,6747 U3_COL9_ROW4.4 U3_COL9_ROW5.1@1858.5,5758 U3_COL9_ROW5.4 U3_COL9_ROW6.1@1858.5,4769 U3_COL9_ROW6.4 U10.0 U11.1@-1591,-306 U11.4

## Polygon pours and split planes (outlines as drawn)
GND on Top Layer "TOPGND" (solid, remove dead copper, pour order 61): -7302,4976 -6508,4976 -6508,4378 -7302,4378
GND on Top Layer "TOPGND" (solid, remove dead copper, pour order 61): -6224.5,4976 -5430.5,4976 -5430.5,4378 -6224.5,4378
GND on Top Layer "TOPGND" (solid, remove dead copper, pour order 61): -5147,4976 -4353,4976 -4353,4378 -5147,4378
GND on Top Layer "TOPGND" (solid, remove dead copper, pour order 61): -4069.5,4976 -3275.5,4976 -3275.5,4378 -4069.5,4378
GND on Top Layer "TOPGND" (solid, remove dead copper, pour order 61): -2992,4976 -2198,4976 -2198,4378 -2992,4378
GND on Top Layer "TOPGND" (solid, remove dead copper, pour order 61): -1914.5,4976 -1120.5,4976 -1120.5,4378 -1914.5,4378
GND on Top Layer "TOPGND" (solid, remove dead copper, pour order 61): -837,4976 -43,4976 -43,4378 -837,4378
GND on Top Layer "TOPGND" (solid, remove dead copper, pour order 61): 240.5,4976 1034.5,4976 1034.5,4378 240.5,4378
GND on Top Layer "TOPGND" (solid, remove dead copper, pour order 61): 1318,4976 2112,4976 2112,4378 1318,4378
GND on Top Layer "TOPGND" (solid, remove dead copper, pour order 61): -7302,5964 -6508,5964 -6508,5366 -7302,5366
GND on Top Layer "TOPGND" (solid, remove dead copper, pour order 61): -6224.5,5964 -5430.5,5964 -5430.5,5366 -6224.5,5366
GND on Top Layer "TOPGND" (solid, remove dead copper, pour order 61): -5147,5964 -4353,5964 -4353,5366 -5147,5366
GND on Top Layer "TOPGND" (solid, remove dead copper, pour order 61): -4069.5,5964 -3275.5,5964 -3275.5,5366 -4069.5,5366
GND on Top Layer "TOPGND" (solid, remove dead copper, pour order 61): -2992,5964 -2198,5964 -2198,5366 -2992,5366
GND on Top Layer "TOPGND" (solid, remove dead copper, pour order 61): -1914.5,5964 -1120.5,5964 -1120.5,5366 -1914.5,5366
GND on Top Layer "TOPGND" (solid, remove dead copper, pour order 61): -837,5964 -43,5964 -43,5366 -837,5366
GND on Top Layer "TOPGND" (solid, remove dead copper, pour order 61): 240.5,5964 1034.5,5964 1034.5,5366 240.5,5366
GND on Top Layer "TOPGND" (solid, remove dead copper, pour order 61): 1318,5964 2112,5964 2112,5366 1318,5366
GND on Top Layer "TOPGND" (solid, remove dead copper, pour order 61): -7302,6953 -6508,6953 -6508,6355 -7302,6355
GND on Top Layer "TOPGND" (solid, remove dead copper, pour order 61): -6224.5,6953 -5430.5,6953 -5430.5,6355 -6224.5,6355
GND on Top Layer "TOPGND" (solid, remove dead copper, pour order 61): -5147,6953 -4353,6953 -4353,6355 -5147,6355
GND on Top Layer "TOPGND" (solid, remove dead copper, pour order 61): -4069.5,6953 -3275.5,6953 -3275.5,6355 -4069.5,6355
GND on Top Layer "TOPGND" (solid, remove dead copper, pour order 61): -2992,6953 -2198,6953 -2198,6355 -2992,6355
GND on Top Layer "TOPGND" (solid, remove dead copper, pour order 61): -1914.5,6953 -1120.5,6953 -1120.5,6355 -1914.5,6355
GND on Top Layer "TOPGND" (solid, remove dead copper, pour order 61): -837,6953 -43,6953 -43,6355 -837,6355
GND on Top Layer "TOPGND" (solid, remove dead copper, pour order 61): 240.5,6953 1034.5,6953 1034.5,6355 240.5,6355
GND on Top Layer "TOPGND" (solid, remove dead copper, pour order 61): 1318,6953 2112,6953 2112,6355 1318,6355
GND on Top Layer "TOPGND" (solid, remove dead copper, pour order 61): -7302,7942 -6508,7942 -6508,7344 -7302,7344
GND on Top Layer "TOPGND" (solid, remove dead copper, pour order 61): -6224.5,7942 -5430.5,7942 -5430.5,7344 -6224.5,7344
GND on Top Layer "TOPGND" (solid, remove dead copper, pour order 61): -5147,7942 -4353,7942 -4353,7344 -5147,7344
GND on Top Layer "TOPGND" (solid, remove dead copper, pour order 61): -4069.5,7942 -3275.5,7942 -3275.5,7344 -4069.5,7344
GND on Top Layer "TOPGND" (solid, remove dead copper, pour order 61): -2992,7942 -2198,7942 -2198,7344 -2992,7344
GND on Top Layer "TOPGND" (solid, remove dead copper, pour order 61): -1914.5,7942 -1120.5,7942 -1120.5,7344 -1914.5,7344
GND on Top Layer "TOPGND" (solid, remove dead copper, pour order 61): -837,7942 -43,7942 -43,7344 -837,7344
GND on Top Layer "TOPGND" (solid, remove dead copper, pour order 61): 240.5,7942 1034.5,7942 1034.5,7344 240.5,7344
GND on Top Layer "TOPGND" (solid, remove dead copper, pour order 61): 1318,7942 2112,7942 2112,7344 1318,7344
GND on Top Layer "TOPGND" (solid, remove dead copper, pour order 61): -7302,8931 -6508,8931 -6508,8333 -7302,8333
GND on Top Layer "TOPGND" (solid, remove dead copper, pour order 61): -6224.5,8931 -5430.5,8931 -5430.5,8333 -6224.5,8333
GND on Top Layer "TOPGND" (solid, remove dead copper, pour order 61): -5147,8931 -4353,8931 -4353,8333 -5147,8333
GND on Top Layer "TOPGND" (solid, remove dead copper, pour order 61): -4069.5,8931 -3275.5,8931 -3275.5,8333 -4069.5,8333
GND on Top Layer "TOPGND" (solid, remove dead copper, pour order 61): -2992,8931 -2198,8931 -2198,8333 -2992,8333
GND on Top Layer "TOPGND" (solid, remove dead copper, pour order 61): -1914.5,8931 -1120.5,8931 -1120.5,8333 -1914.5,8333
GND on Top Layer "TOPGND" (solid, remove dead copper, pour order 61): -837,8931 -43,8931 -43,8333 -837,8333
GND on Top Layer "TOPGND" (solid, remove dead copper, pour order 61): 240.5,8931 1034.5,8931 1034.5,8333 240.5,8333
GND on Top Layer "TOPGND" (solid, remove dead copper, pour order 61): 1318,8931 2112,8931 2112,8333 1318,8333
GND on Top Layer "TOPGND" (solid, remove dead copper, pour order 61): 1318,9920 2112,9920 2112,9322 1318,9322
GND on Top Layer "TOPGND" (solid, remove dead copper, pour order 61): 240.5,9920 1034.5,9920 1034.5,9322 240.5,9322
GND on Top Layer "TOPGND" (solid, remove dead copper, pour order 61): -837,9920 -43,9920 -43,9322 -837,9322
GND on Top Layer "TOPGND" (solid, remove dead copper, pour order 61): -1914.5,9920 -1120.5,9920 -1120.5,9322 -1914.5,9322
GND on Top Layer "TOPGND" (solid, remove dead copper, pour order 61): -2992,9920 -2198,9920 -2198,9322 -2992,9322
GND on Top Layer "TOPGND" (solid, remove dead copper, pour order 61): -4069.5,9920 -3275.5,9920 -3275.5,9322 -4069.5,9322
GND on Top Layer "TOPGND" (solid, remove dead copper, pour order 61): -5147,9920 -4353,9920 -4353,9322 -5147,9322
GND on Top Layer "TOPGND" (solid, remove dead copper, pour order 61): -6224.5,9920 -5430.5,9920 -5430.5,9322 -6224.5,9322
GND on Top Layer "TOPGND" (solid, remove dead copper, pour order 61): -7302,9920 -6508,9920 -6508,9322 -7302,9322
GND on Top Layer "GND_TOP" (solid, remove dead copper, pour order 63): -39,53 -39,-57 -40,-58 185,-58 307,64 684,64 685,65 685,469 325,469 325,201 176,52
+5V on Top Layer "+5V_TOP" (solid, remove dead copper, pour order 61): -40,62 172,62 305,195 305,494 306,495 -135,495 -135,294 -39,198
+5V on VCC "VCC+5V" (solid, remove dead copper, pour order 60): -7376,-470 2324,-470 2324,9955 -7376,9955
GND on GND "GNDGND" (solid, remove dead copper, pour order 72): -7376,-470 2324,-470 2324,9955 1279,9955 1279,3980 1209,3980 1209,9955 194,9955 194,3980 119,3980 119,9955 -881,9955 -881,3980 -956,3980 -956,9955 -1961,9955 -1961,3980 -2036,3980 -2036,9955 -3031,9955 -3031,3980 -3106,3980 -3106,9955 -4111,9955 -4111,3980 -4186,3980 -4186,9955 -5181,9955 -5181,3980 -5256,3980 -5256,9955 -6266,9955 -6266,3980 -6341,3980 -6341,9955 -7376,9955

## Keep-outs
Keep-Out Layer:
  circle w10: c-2496,7030 r102
  circle w10: c854,3913 r102
  circle w10: c-1296,3913 r102
  circle w10: c-3446,3913 r102
  circle w10: c-5596,3913 r102
  circle w10: c-7485,3913 r162
  circle w10: c-7485,10069 r162
  circle w10: c2434.5,10069 r162
  circle w10: c2434.5,3913 r162
  circle w10: c2434.5,5930 r102
  circle w10: c2434.5,8180 r102
  circle w10: c879,10069 r102
  circle w10: c-1271,10069 r102
  circle w10: c-3421,10069 r102
  circle w10: c-5596,10069 r102
  circle w10: c-7485,8180 r102
  circle w10: c-7485,5930 r102
  circle w10: c-7485,1930 r102
  circle w10: c-7485,-370 r102
  circle w10: c-5596,-370 r102
  circle w10: c-3421,-370 r102
  circle w10: c-1271,-370 r102
  circle w10: c879,-370 r102
  circle w10: c2434.5,-370 r102
  circle w10: c2434.5,1930 r102

## Other copper
Top Layer:
  text "TOP LAYER" at -5525,-2345 h100
VCC:
  text "MID1 LAYER" at -5491,-2328 h100
GND:
  text "MID2 LAYER" at -5512,-2345 h100
Bottom Layer:
  text "100512" at -7575.5,1263 h60 r270
  text "Rev2" at -7570,927 h60 r270
  text "BOTTOM" at -4906,-2345 h100

## Silkscreen, mask and mechanical layers (free items; w line width, h text height)
Top Overlay:
  lines w10: 2026.49,-479 2026.49,-418
  text "1-2" at -6036,9227 h100
  text "1-4" at -3861,9227 h100
  text "1-5" at -2786,9222 h100
  text "1-8" at 474,9222 h100
  text "1-9" at 1534,9222 h100
  text "1-1" at -7041,9217 h100
  text "1-3" at -4951,9217 h100
  text "1-6" at -1691,9217 h100
  text "1-7" at -631,9212 h100
  text "2-8" at 444,8232 h100
  text "2-9" at 1539,8232 h100
  text "2-1" at -7066,8227 h100
  text "2-2" at -6021,8227 h100
  text "2-3" at -4951,8227 h100
  text "2-4" at -3861,8227 h100
  text "2-5" at -2791,8227 h100
  text "2-6" at -1696,8227 h100
  text "2-7" at -596,8222 h100
  text "3-2" at -6041,7247 h100
  text "3-3" at -4936,7242 h100
  text "3-1" at -7081,7237 h100
  text "3-5" at -2786,7237 h100
  text "3-8" at 454,7237 h100
  text "3-4" at -3876,7232 h100
  text "3-6" at -1691,7232 h100
  text "3-7" at -616,7232 h100
  text "3-9" at 1539,7232 h100
  text "4-8" at 454,6257 h100
  text "4-2" at -6031,6252 h100
  text "4-6" at -1711,6252 h100
  text "4-9" at 1519,6252 h100
  text "4-3" at -4941,6247 h100
  text "4-4" at -3866,6247 h100
  text "4-5" at -2781,6247 h100
  text "4-1" at -7076,6242 h100
  text "4-7" at -616,6242 h100
  text "5-2" at -6031,5262 h100
  text "5-3" at -4941,5262 h100
  text "5-4" at -3851,5262 h100
  text "5-6" at -1696,5262 h100
  text "5-8" at 449,5262 h100
  text "5-1" at -7091,5257 h100
  text "5-5" at -2781,5257 h100
  text "5-9" at 1534,5257 h100
  text "5-7" at -601,5252 h100
  text "6-6" at -1721,4277 h100
  text "6-8" at 444,4277 h100
  text "6-3" at -4946,4272 h100
  text "6-5" at -2771,4272 h100
  text "6-7" at -646,4272 h100
  text "6-1" at -7106,4267 h100
  text "6-4" at -3851,4267 h100
  text "6-9" at 1519,4262 h100
  text "6-2" at -6030,4245 h100
  text "Active Wave, Inc." at -7144,164 h200
  text "Seal Tag Tester" at -6888,-71 h150
  text "ON" at 120,-222 h60
  text "Rev2" at -6324,-335 h150
  text "OFF" at 98,-445 h60
  text "100512" at -6260,-480 h60
  text "TOP SILK" at -5382,-2341 h100
Top Paste:
  text "TOP PASTE" at -5387,-2345 h100
Top Solder:
  text "TOP MASK" at -5530,-2341 h100
Bottom Solder:
  text "BOTTOM MASK" at -4499,-2332 h100
AssemblyTop:
  text "TOP ASSEMBLY" at -5530,-2337 h100
Outline:
  lines w10: -5250.98,-2306.25 -5211.6,-2306.25 ; -2525,-620 -2525,-570 ; -7725,-570 2675,-570 2675,10315 -7725,10315 -7725,-570
Title:
  lines w10: -7865.53,-2331.42 -7865.53,-1231.42 ; -7865.53,-2330.42 ccw(c-7764.53,-2330.42) -7766.29,-2431.4 ; -7815.53,-1856.42 -7815.53,-2081.42 ccw(c-7765.52,-2081.42) -7766.4,-2131.41 ; -7766.4,-2381.41 cw(c-7765.53,-2331.42) -7815.53,-2331.42 -7815.53,-2231.42 cw(c-7765.53,-2231.42) -7765.53,-2181.42 -6090.53,-2181.42 cw(c-6090.53,-2231.42) -6040.53,-2231.42 -6040.53,-2331.42 ; -7765.53,-2431.42 -3565.53,-2431.42 ccw(c-3565.53,-2331.42) -3465.53,-2331.42 -3465.53,-1231.42 ; -7765.53,-2381.42 -6090.53,-2381.42 ; -7765.53,-2131.42 -7015.53,-2131.42 ; -7765.53,-1806.42 -7015.53,-1806.42 ; -7765.53,-1756.42 -7015.53,-1756.42 ; -7765.53,-1431.42 -7015.53,-1431.42 ; -7765.53,-1381.42 -4815.53,-1381.42 ccw(c-4815.53,-1331.42) -4765.53,-1331.42 -4765.53,-1231.42 ccw(c-4815.52,-1231.42) -4815.52,-1181.42 -7765.53,-1181.42 ; -7765.52,-1131.42 -3565.52,-1131.42 ; -7016.24,-1806.45 cw(c-7014.53,-1855.42) -6965.53,-1855.42 ; -7014.53,-2131.42 ccw(c-7014.53,-2082.42) -6965.53,-2082.42 ; -7014.53,-1431.42 cw(c-7014.53,-1480.42) -6965.53,-1480.42 ; -7013.53,-1756.42 ccw(c-7013.53,-1708.42) -6965.53,-1708.42 ; -6965.53,-2081.42 -6965.53,-1856.42 ; -6965.53,-1706.42 -6965.53,-1481.42 ; -6915.53,-2082.42 ccw(c-6866.53,-2082.42) -6866.53,-2131.42 ; -6915.53,-2081.42 -6915.53,-1956.42 cw(c-6865.53,-1956.42) -6865.53,-1906.42 -5265.53,-1906.42 ; -6915.53,-1807.42 ccw(c-6866.53,-1807.42) -6866.53,-1856.42 ; -6915.53,-1806.42 -6915.53,-1481.42 cw(c-6865.53,-1481.42) -6865.53,-1431.42 -4815.53,-1431.42 cw(c-4815.53,-1481.42) -4765.53,-1481.42 -4765.53,-1806.42 cw(c-4815.53,-1806.42) -4814.65,-1856.42 ; -6865.53,-2131.42 -5265.53,-2131.42 ; -6865.53,-1856.42 -4815.53,-1856.42 ; -6566.03,-1231.42 cw(c-6466.03,-1231.42) -6466.03,-1131.42 ; -6516.03,-1856.42 cw(c-6466.03,-1856.42) -6466.03,-1806.42 ; -6466.03,-1756.42 cw(c-6466.03,-1706.42) -6516.03,-1706.42 -6516.03,-1481.42 cw(c-6466.03,-1481.42) -6466.03,-1431.42 ; -6466.03,-1381.42 cw(c-6466.03,-1331.42) -6516.03,-1331.42 -6516.03,-1231.42 cw(c-6466.03,-1231.42) -6466.03,-1181.42 ; -6089.36,-2381.42 ccw(c-6088.53,-2333.42) -6040.54,-2331.74 ; -5941.4,-2381.41 cw(c-5940.53,-2331.42) -5990.53,-2331.42 -5990.53,-2231.42 cw(c-5940.53,-2231.42) -5940.53,-2181.42 -4265.53,-2181.42 cw(c-4265.53,-2231.42) -4215.53,-2231.42 -4215.53,-2331.42 ; -5940.53,-2381.42 -4265.53,-2381.42 ; -5264.53,-2131.42 ccw(c-5264.53,-2082.42) -5215.53,-2081.56 ; -5264.53,-1906.42 cw(c-5264.53,-1955.42) -5215.53,-1955.42 ; -5215.53,-2081.42 -5215.53,-1956.42 ; -5165.53,-2081.42 -5165.53,-1956.42 ; -5165.53,-2080.42 ccw(c-5114.53,-2080.42) -5115.42,-2131.41 ; -5165.46,-1956.93 cw(c-5117.53,-1954.42) -5117.53,-1906.42 ; -5115.53,-2131.42 -4815.53,-2131.42 ccw(c-4815.53,-2081.42) -4765.53,-2081.42 -4765.53,-1956.42 ; -5115.53,-1906.42 -4815.53,-1906.42 ; -4814.53,-1906.42 cw(c-4814.53,-1955.42) -4765.53,-1955.42 ; -4715.53,-2082.42 ccw(c-4666.53,-2082.42) -4665.67,-2131.41 ; -4715.53,-2081.42 -4715.53,-1956.42 cw(c-4665.53,-1956.42) -4665.53,-1906.42 -3565.53,-1906.42 ; -4665.53,-2131.42 -3565.53,-2131.42 ; -4264.36,-2381.42 ccw(c-4263.53,-2333.42) -4215.54,-2331.74 ; -4165.53,-2332.42 ccw(c-4116.53,-2332.42) -4115.67,-2381.41 ; -4165.53,-2331.42 -4165.53,-2231.42 cw(c-4115.53,-2231.42) -4115.53,-2181.42 -3565.53,-2181.42 cw(c-3565.53,-2231.42) -3515.52,-2230.54 ; -4115.53,-2381.42 -3565.53,-2381.42 ccw(c-3565.53,-2331.42) -3515.53,-2331.42 -3515.53,-2231.42 ; -3566.25,-1180.87 cw(c-3564.54,-1229.84) -3515.54,-1229.84 ; -3565.53,-1856.42 -4665.53,-1856.42 cw(c-4665.53,-1806.42) -4715.53,-1806.42 -4715.53,-1231.42 cw(c-4665.53,-1231.42) -4665.53,-1181.42 -3565.53,-1181.42 ; -3565.54,-1130.84 cw(c-3565.54,-1230.84) -3465.54,-1230.84 ; -3564.86,-2130.68 ccw(c-3564.86,-2080.68) -3514.86,-2080.68 -3514.86,-1954.68 ccw(c-3563.86,-1954.68) -3563.86,-1905.68 ; -3564.86,-1855.68 ccw(c-3564.86,-1805.68) -3514.86,-1805.68 ; -3515.53,-1806.42 -3515.53,-1231.42
  text "Active Wave" at -6920.92,-1331.28 h90
  text "TITLE:" at -6878.03,-1518.92 h50
  text "ENGINEER:" at -7765.53,-1531.42 h50
  text "JCM II" at -7386.92,-1536.28 h50
  text "TAG201 Gang Programmer" at -6846.92,-1717.28 h110
  text "PHONE:" at -7765.53,-1718.92 h50
  text "DRAWN by :" at -7765.52,-1911.42 h50
  text "JCM II" at -7296.92,-1916.28 h50
  text "Approval" at -6865.53,-1993.92 h50
  text "REV:" at -5128.03,-1993.92 h50
  text "DATE:" at -4665.53,-1993.92 h50
  text "05/30/2012" at -4239.18,-2040.74 h50
  text "1.0" at -4953.02,-2068.92 h50
  text "PHONE:" at -7765.53,-2093.92 h50
  text "FILE NAME:" at -7765.53,-2271.42 h50
  text "LAYER:" at -5925.53,-2271.42 h50
  text "GERBER:" at -4105.53,-2271.42 h50
Notes:
  text "Notes:" at -2425.6,-1395.53 h100
  text "1) 0.125\" Thick 4 Layer board" at -3240.62,-1700.62 h100
  text "2) RoHS Compliant FR4 material /w 1oz. copper" at -3276.35,-1908.69 h100
  text "3) Add White Silk Screen Over Tented Vias" at -3260.34,-2097.27 h100
  text "4) Green Solder Mask Both Sides" at -3251.68,-2322.53 h100
Panel:
  drawing of 311 lines, arcs and shapes, not listed
  text "Panel" at -5196,-2341 h100
Drill Drawing:
  text ".Legend" at 1546.08,-2095.28 h40
  text "DRILL" at -5348,-2328 h100

## Dimensions
-7725,-570 to 2675,-570 on Dimension
2675,-570 to 2675,10315 on Dimension

## Text inside footprints (layer, text, board x,y; h text height)
SW1: Top Overlay "12" at -2662.89,-292.74 h40 r225; Top Overlay "11" at -2510.86,-331.63 h40 r225; Top Overlay "10" at -2383.58,-289.2 h40 r225; Top Overlay "9" at -2281.05,-186.67 h40 r225; Top Overlay "8" at -2242.16,-48.79 h40 r225; Top Overlay "7" at -2284.58,92.63 h40 r225; Top Overlay "6" at -2390.65,198.7 h40 r225; Top Overlay "5" at -2535.61,237.59 h40 r225; Top Overlay "4" at -2669.96,202.24 h40 r225; Top Overlay "3" at -2779.56,99.71 h40 r225; Top Overlay "2" at -2818.45,-45.25 h40 r225; Top Overlay "1" at -2772.49,-190.21 h40 r225; AssemblyTop "12" at -2662.89,-292.74 h40 r225; AssemblyTop "11" at -2510.86,-331.63 h40 r225; AssemblyTop "10" at -2383.58,-289.2 h40 r225; AssemblyTop "9" at -2281.05,-186.67 h40 r225; AssemblyTop "8" at -2242.16,-48.79 h40 r225; AssemblyTop "7" at -2284.58,92.63 h40 r225; AssemblyTop "6" at -2390.65,198.7 h40 r225; AssemblyTop "5" at -2535.61,237.59 h40 r225; AssemblyTop "4" at -2669.96,202.24 h40 r225; AssemblyTop "3" at -2779.56,99.71 h40 r225; AssemblyTop "2" at -2818.45,-45.25 h40 r225; AssemblyTop "1" at -2772.49,-190.21 h40 r225